# Altium PCB Backend_v2.PcbDoc (part 1 of 3) (continued)
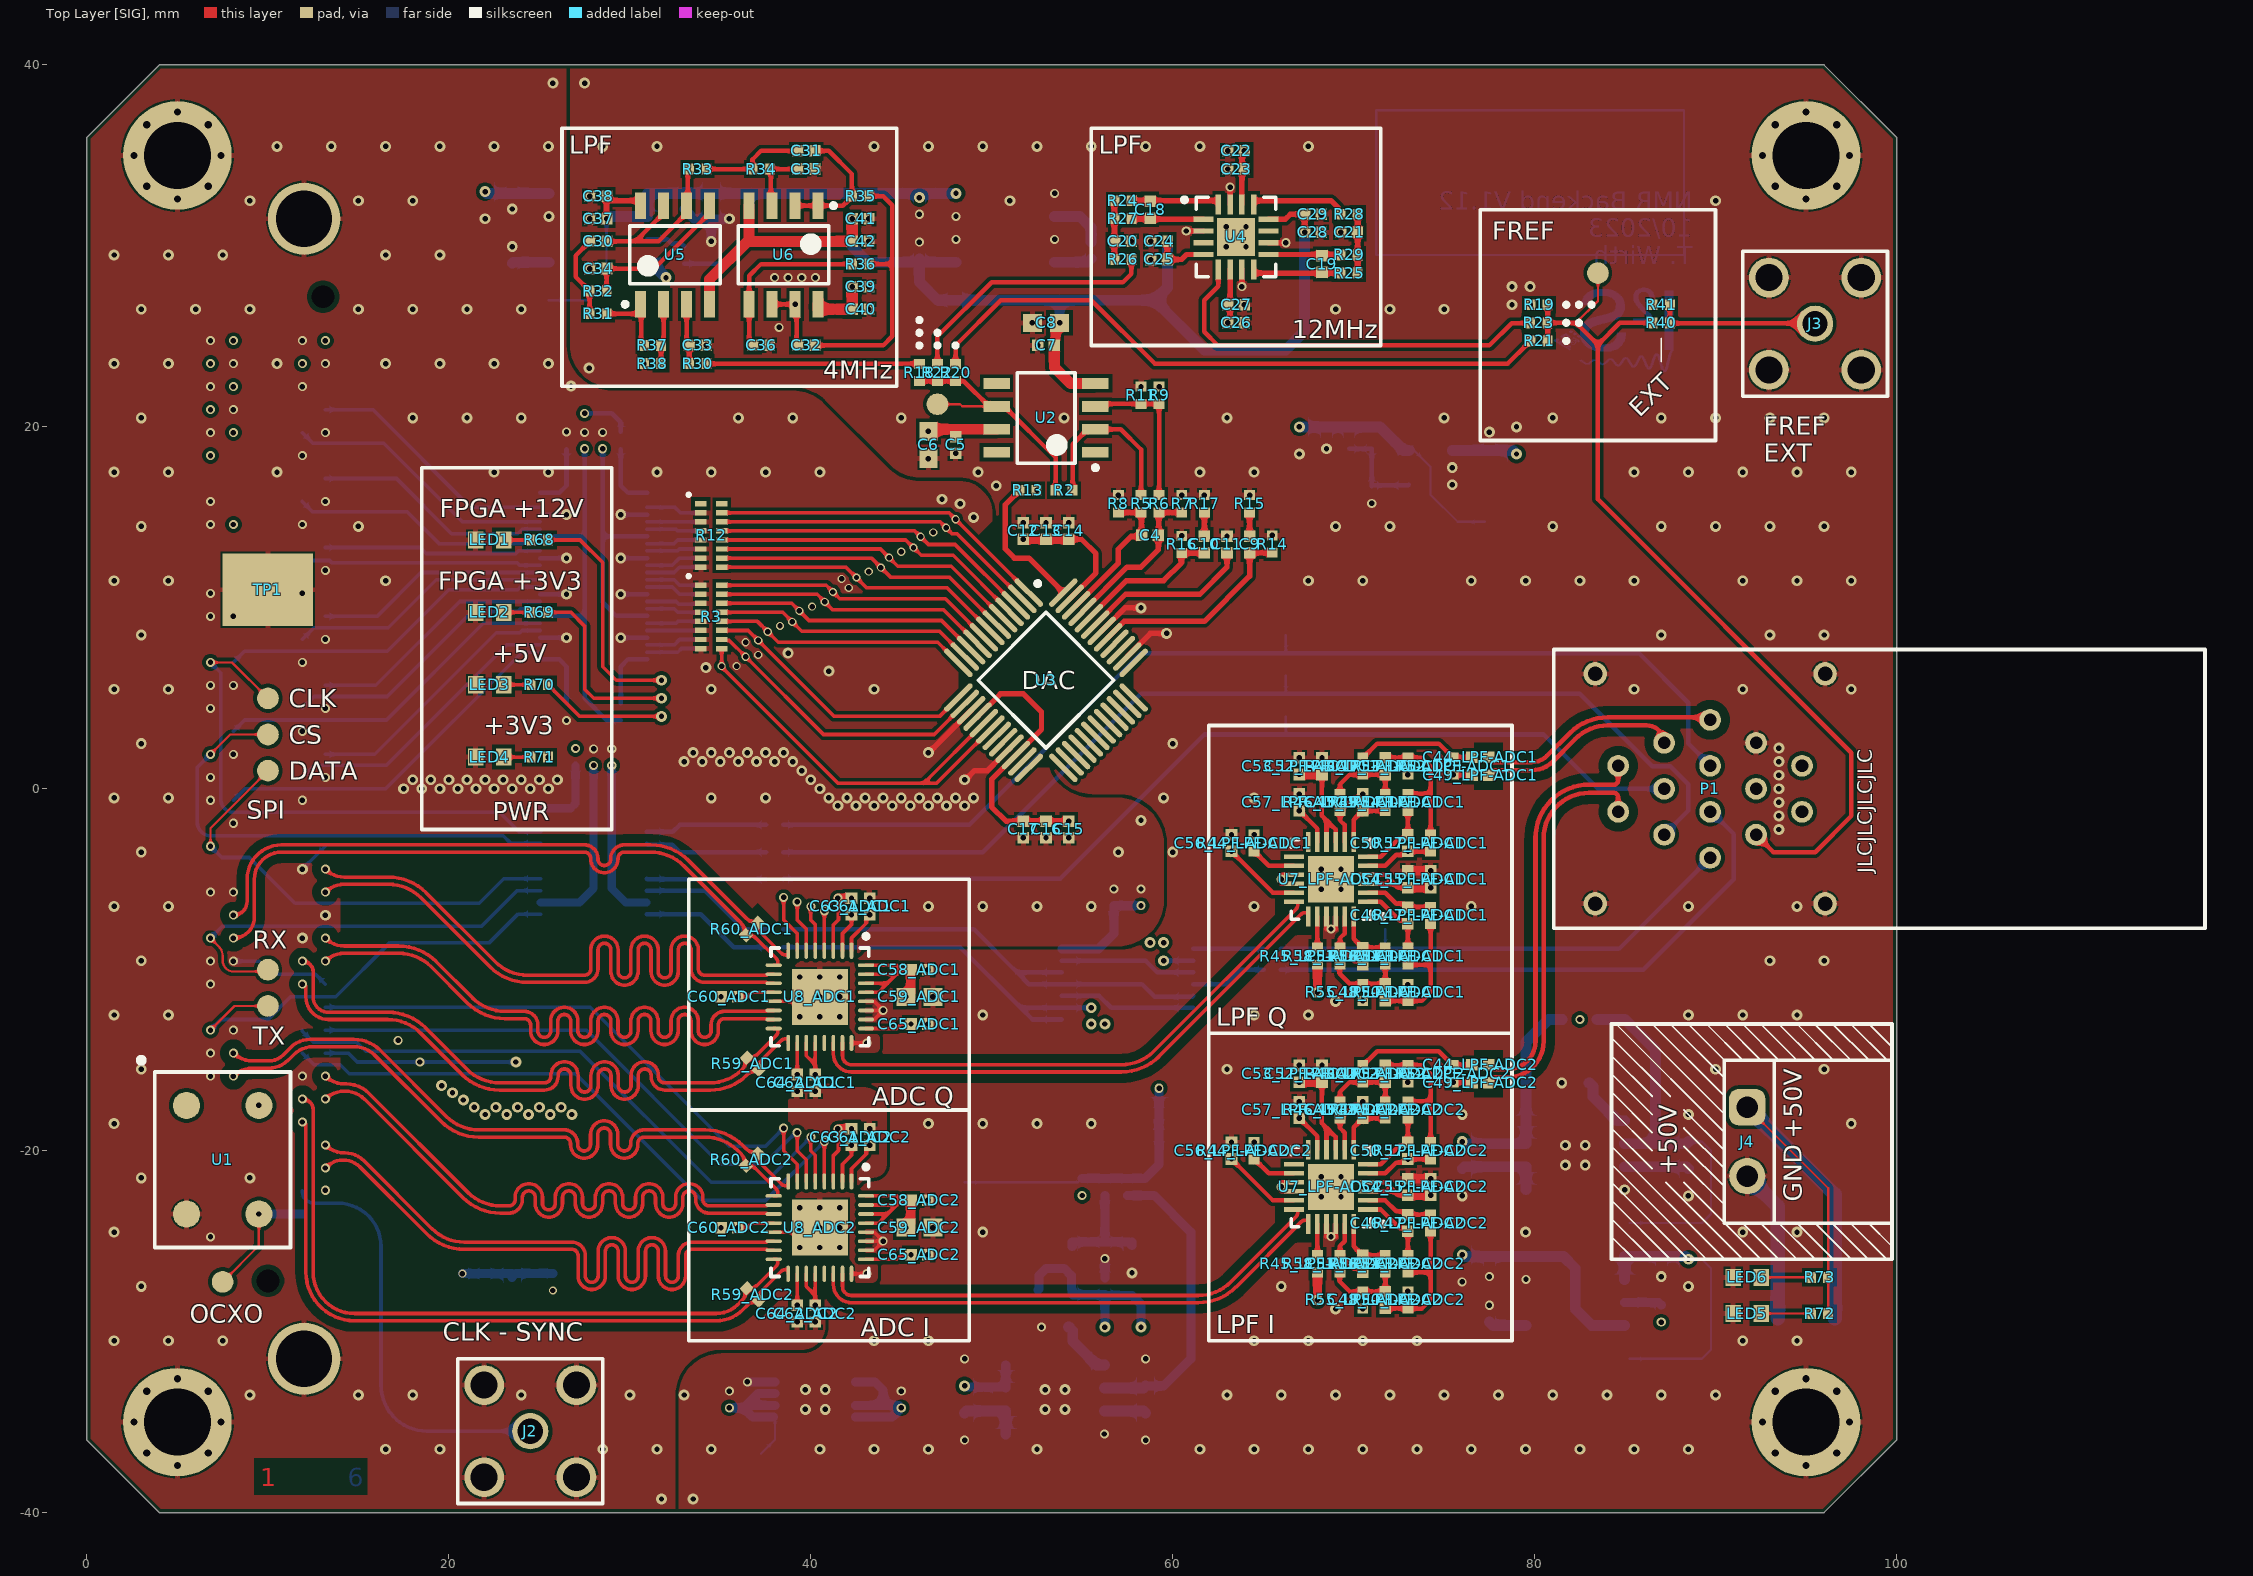
[diagram p0: Top Layer [SIG] view]
## Components (designator, comment, footprint, x,y, rotation, side; value= is the part's Value field where it differs from the comment)
C1 "10u" CAP_0603 23.5,-27.75 r270 bottom
C2 "1u" CAP_0402 22,-27.25 r270 bottom
C3 "100n" CAP_0402 20.75,-27.25 r270 bottom
C4 "22p" CAP_0402 58.75,14 r0 top
C5 "100n" CAP_0402 48,19 r270 top
C6 "10u" CAP_0603 46.5,19 r270 top
C7 "100n" CAP_0402 53,24.5 r180 top
C8 "10u" CAP_0603 53,25.75 r180 top
C9 "22n" CAP_0402 64.25,13.5 r90 top
C10 "22n" CAP_0402 61.75,13.5 r90 top
C11 "100n" CAP_0402 63,13.5 r90 top
C12 "100n" CAP_0402 51.75,14.25 r90 top
C13 "10n" CAP_0402 53,14.25 r90 top
C14 "1n" CAP_0402 54.25,14.25 r90 top
C15 "100n" CAP_0402 54.25,-2.25 r270 top
C16 "10n" CAP_0402 53,-2.25 r270 top
C17 "1n" CAP_0402 51.75,-2.25 r270 top
C18 "3p3" CAP_0402 58.75,32 r270 top
C19 "2p2" CAP_0402 68.25,29 r90 top
C20 "12p" CAP_0402 57.25,30.25 r0 top
C21 "33p" CAP_0402 69.75,30.75 r180 top
C22 "100n" CAP_0402 63.5,35.25 r180 top
C23 "100p" CAP_0402 63.5,34.25 r180 top
C24 "100n" CAP_0402 59.25,30.25 r180 top
C25 "100p" CAP_0402 59.25,29.25 r180 top
C26 "100n" CAP_0402 63.5,25.75 r0 top
C27 "100p" CAP_0402 63.5,26.75 r0 top
C28 "100n" CAP_0402 67.75,30.75 r0 top
C29 "100p" CAP_0402 67.75,31.75 r0 top
C30 "390p" CAP_0402 28.25,30.25 r0 top
C31 "100p" CAP_0402 39.75,35.25 r0 top
C32 "100p" CAP_0402 39.75,24.5 r180 top
C33 "510p" CAP_0402 33.75,24.5 r0 top
C34 "39p" CAP_0402 28.25,28.75 r180 top
C35 "10p" CAP_0402 39.75,34.25 r0 top
C36 "10p" CAP_0402 37.25,24.5 r0 top
C37 "100n" CAP_0402 28.25,31.5 r180 top
C38 "100p" CAP_0402 28.25,32.75 r180 top
C39 "100n" CAP_0402 42.75,27.75 r0 top
C40 "100p" CAP_0402 42.75,26.5 r0 top
C41 "100n" CAP_0402 42.75,31.5 r0 top
C42 "100p" CAP_0402 42.75,30.25 r0 top
C44_LPF-ADC1 "1u" CAP_0402 77,1.75 r180 top (schematic designator C44)
C44_LPF-ADC2 "1u" CAP_0402 77,-15.25 r180 top (schematic designator C44)
C45_LPF-ADC1 "100p" CAP_0402 70.5,-0.75 r270 top (schematic designator C45)
C45_LPF-ADC2 "100p" CAP_0402 70.5,-17.75 r270 top (schematic designator C45)
C46_LPF-ADC1 "100p" CAP_0402 73,-7 r270 top (schematic designator C46)
C46_LPF-ADC2 "100p" CAP_0402 73,-24 r270 top (schematic designator C46)
C47_LPF-ADC1 "180p" CAP_0402 71.75,1.25 r90 top (schematic designator C47)
C47_LPF-ADC2 "180p" CAP_0402 71.75,-15.75 r90 top (schematic designator C47)
C48_LPF-ADC1 "430p" CAP_0402 71.75,-11.25 r90 top (schematic designator C48)
C48_LPF-ADC2 "430p" CAP_0402 71.75,-28.25 r90 top (schematic designator C48)
C49_LPF-ADC1 "1u" CAP_0402 77,0.75 r180 top (schematic designator C49)
C49_LPF-ADC2 "1u" CAP_0402 77,-16.25 r180 top (schematic designator C49)
C50_LPF-ADC1 "100p" CAP_0402 73,-3 r90 top (schematic designator C50)
C50_LPF-ADC2 "100p" CAP_0402 73,-20 r90 top (schematic designator C50)
C51_LPF-ADC1 "100p" CAP_0402 70.5,-9.25 r90 top (schematic designator C51)
C51_LPF-ADC2 "100p" CAP_0402 70.5,-26.25 r90 top (schematic designator C51)
C52_LPF-ADC1 "1n" CAP_0402 68.25,1.25 r90 top (schematic designator C52)
C52_LPF-ADC2 "1n" CAP_0402 68.25,-15.75 r90 top (schematic designator C52)
C53_LPF-ADC1 "100n" CAP_0402 67,1.25 r90 top (schematic designator C53)
C53_LPF-ADC2 "100n" CAP_0402 67,-15.75 r90 top (schematic designator C53)
C54_LPF-ADC1 "1n" CAP_0402 73,-5 r90 top (schematic designator C54)
C54_LPF-ADC2 "1n" CAP_0402 73,-22 r90 top (schematic designator C54)
C55_LPF-ADC1 "100n" CAP_0402 74.25,-5 r90 top (schematic designator C55)
C55_LPF-ADC2 "100n" CAP_0402 74.25,-22 r90 top (schematic designator C55)
C56_LPF-ADC1 "100n" CAP_0402 63.25,-3 r90 top (schematic designator C56)
C56_LPF-ADC2 "100n" CAP_0402 63.25,-20 r90 top (schematic designator C56)
C57_LPF-ADC1 "100n" CAP_0402 67,-0.75 r90 top (schematic designator C57)
C57_LPF-ADC2 "100n" CAP_0402 67,-17.75 r90 top (schematic designator C57)
C58_ADC1 "100n" CAP_0402 46,-10 r0 top (schematic designator C58)
C58_ADC2 "100n" CAP_0402 46,-22.75 r0 top (schematic designator C58)
C59_ADC1 "10u" CAP_0603 46,-11.5 r0 top (schematic designator C59)
C59_ADC2 "10u" CAP_0603 46,-24.25 r0 top (schematic designator C59)
C60_ADC1 "100n" CAP_0402 35.5,-11.5 r180 top (schematic designator C60)
C60_ADC2 "100n" CAP_0402 35.5,-24.25 r180 top (schematic designator C60)
C61_ADC1 "100n" CAP_0402 43.25,-6.5 r90 top (schematic designator C61)
C61_ADC2 "100n" CAP_0402 43.25,-19.25 r90 top (schematic designator C61)
C62_ADC1 "100n" CAP_0402 40.25,-16.25 r270 top (schematic designator C62)
C62_ADC2 "100n" CAP_0402 40.25,-29 r270 top (schematic designator C62)
C63_ADC1 "100n" CAP_0402 42.25,-6.5 r90 top (schematic designator C63)
C63_ADC2 "100n" CAP_0402 42.25,-19.25 r90 top (schematic designator C63)
C64_ADC1 "100n" CAP_0402 39.25,-16.25 r270 top (schematic designator C64)
C64_ADC2 "100n" CAP_0402 39.25,-29 r270 top (schematic designator C64)
C65_ADC1 "100n" CAP_0402 46,-13 r0 top (schematic designator C65)
C65_ADC2 "100n" CAP_0402 46,-25.75 r0 top (schematic designator C65)
C66 "1u" CAP_0402 46,32.21 r270 bottom
C67 "1u" CAP_0402 55.5,29.75 r270 bottom
C68 "1u" CAP_0402 46,29.75 r90 bottom
C69 "10u" CAP_0603 22,32.25 r270 bottom
C70 "1u" CAP_0402 23.5,32.5 r270 bottom
C71 "1u" CAP_0402 33,32.5 r270 bottom
C72 "10u" CAP_0603 34.5,32.25 r270 bottom
C73 "10n" CAP_0402 23.5,29.5 r90 bottom
C74 "10u" CAP_0603 79,19.25 r90 bottom
C75 "1u" CAP_0402 77.5,19.25 r90 bottom
C76 "100n" CAP_0402 69.75,19.25 r270 bottom
C77 "1u" CAP_0402 68.5,19.25 r270 bottom
C78 "10u" CAP_0603 67,19.25 r270 bottom
C79 "1u" CAP_0402 56.25,-27.5 r90 bottom
C80 "1u" CAP_0402 56.25,-25.5 r270 bottom
C81 "10u" CAP_0603 57.75,-26 r270 bottom
C82 "1u" CAP_0402 35.5,-33.75 r90 bottom
C83 "100n" CAP_0402 59.7,-19.15 r0 bottom
C84 "1u" CAP_0402 59.7,-17.95 r0 bottom
C85 "10u" CAP_0603 60,-16.55 r0 bottom
C86 "1u" CAP_0402 45,-33.75 r90 bottom
C87 "10u" CAP_0603 48.5,-32.25 r90 bottom
C88 "22u / 10u" CAP_0603 58.5,-35.25 r270 bottom
C89 "10u" CAP_0603 53.5,-29.75 r180 bottom
C90 "10u" CAP_0603 48.5,-35.25 r270 bottom
C91 "10u" CAP_0603 58.5,-32.25 r90 bottom
C92 "100n" CAP_0402 58.25,-6 r90 bottom
C93 "10n" CAP_0402 56.75,-6 r90 bottom
C94 "10u" CAP_0603 76,-26.5 r270 bottom
C95 "1u" CAP_0402 77.5,-26.5 r270 bottom
C96 "1u" CAP_0402 87,-26.5 r270 bottom
C97 "10u" CAP_0603 88.5,-26.75 r270 bottom
C98 "10n" CAP_0402 77.5,-29 r90 bottom
C99 "10u" CAP_0603 76,-18.75 r90 bottom
C100 "22u / 10u" CAP_0603 88.5,-21.75 r270 bottom
C101 "10u" CAP_0603 82.25,-16.25 r180 bottom
C102 "10u" CAP_0603 76,-21.75 r270 bottom
C103 "10u" CAP_0603 88.5,-18.75 r90 bottom
C104 "100n" CAP_0402 28,1.75 r90 bottom
C105 "100n" CAP_0402 29,1.75 r90 bottom
C106 "100n" CAP_0402 27.5,19.25 r90 bottom
C107 "100n" CAP_0402 28.5,19.25 r90 bottom
D1 "1N4148WS" SOD-123F 95,-29.25 r0 bottom
J1 "ASP-134604-01" ASP13460401 10,0 r270 bottom
J2 "SMA" SMA 24.5,-35.5 r0 top
J3 "SMA" SMA 95.5,25.7 r0 top
J4 "1803277" Phoenix_MC1,5/2-G-3,81 91.75,-19.5 r90 top
LED1 "Green" RES_0603 22.25,13.75 r180 top
LED2 "Green" RES_0603 22.25,9.75 r180 top
LED3 "Green" RES_0603 22.25,5.75 r180 top
LED4 "Green" RES_0603 22.25,1.75 r180 top
LED5 "Red" RES_0603 91.75,-29 r0 top
LED6 "Blue" RES_0603 91.75,-27 r180 top
P1 "EPG.1B.314.NLN" EPG.1B.314.NLN 89.7,0 r0 top
R1 "0 | inf" RES_0402 25.75,-27.25 r270 bottom value="0 | inf"
R2 "2K7" RES_0402 54,16.5 r180 top
R3 "741X163471JP" 741X163 34.5,9.5 r270 top
R4 "741X163270JP" 741X163 34.5,9.5 r90 bottom
R5 "220R" RES_0402 58.25,15.75 r270 top
R6 "220R" RES_0402 59.25,15.75 r270 top
R7 "27R" RES_0402 60.5,15.75 r270 top
R8 "27R" RES_0402 57,15.75 r270 top
R9 "3k3" RES_0402 59.25,21.75 r270 top
R10 "741X163270JP" 741X163 34.5,14 r90 bottom
R11 "180R" RES_0402 58.25,21.75 r270 top
R12 "741X163471JP" 741X163 34.5,14 r270 top
R13 "10k" RES_0402 52,16.5 r180 top
R14 "8k2" RES_0402 65.5,13.525 r270 top
R15 "249R" RES_0402 64.25,15.75 r270 top
R16 "8k2" RES_0402 60.5,13.5 r270 top
R17 "249R" RES_0402 61.75,15.75 r270 top
R18 "0 | inf" RES_0402 46,23 r90 top value="0 | inf"
R19 "0 | inf" RES_0402 80.25,26.75 r180 top value="0 | inf"
R20 "0 | inf" RES_0402 48,23 r270 top value="0 | inf"
R21 "0 | inf" RES_0402 80.25,24.75 r180 top value="0 | inf"
R22 "0 | inf" RES_0402 47,23 r270 top value="0 | inf"
R23 "0 | inf" RES_0402 80.225,25.75 r0 top value="0 | inf"
R24 "1k43" RES_0402 57.25,32.5 r0 top
R25 "1k5" RES_0402 69.75,28.5 r180 top
R26 "1k43" RES_0402 57.25,29.25 r180 top
R27 "1k33" RES_0402 57.25,31.5 r0 top
R28 "1k5" RES_0402 69.75,31.75 r0 top
R29 "1k43" RES_0402 69.75,29.5 r180 top
R30 "63R4" RES_0402 33.75,23.5 r180 top
R31 "243R" RES_0402 28.25,26.25 r180 top
R32 "243R" RES_0402 28.25,27.5 r0 top
R33 "243R" RES_0402 33.75,34.25 r0 top
R34 "4k02" RES_0402 37.25,34.25 r0 top
R35 "178R" RES_0402 42.75,32.75 r0 top
R36 "5k62" RES_0402 42.75,29 r180 top
R37 "0 | inf" RES_0402 31.25,24.5 r180 top value="0 | inf"
R38 "0 | inf" RES_0402 31.25,23.5 r0 top value="0 | inf"
R40 "0 | inf" RES_0402 87,25.75 r0 top value="0 | inf"
R41 "49R9" RES_0402 87,26.75 r0 top
R44_LPF-ADC1 "10k" RES_0402 64.5,-3 r90 top (schematic designator R44)
R44_LPF-ADC2 "10k" RES_0402 64.5,-20 r90 top (schematic designator R44)
R45_LPF-ADC1 "10k" RES_0402 68,-9.25 r270 top (schematic designator R45)
R45_LPF-ADC2 "10k" RES_0402 68,-26.25 r270 top (schematic designator R45)
R46_LPF-ADC1 "2k61" RES_0402 69.25,-0.75 r270 top (schematic designator R46)
R46_LPF-ADC2 "2k61" RES_0402 69.25,-17.75 r270 top (schematic designator R46)
R47_LPF-ADC1 "1k78" RES_0402 74.25,-7 r90 top (schematic designator R47)
R47_LPF-ADC2 "1k78" RES_0402 74.25,-24 r90 top (schematic designator R47)
R48_LPF-ADC1 "1k18" RES_0402 70.5,1.25 r270 top (schematic designator R48)
R48_LPF-ADC2 "1k18" RES_0402 70.5,-15.75 r270 top (schematic designator R48)
R49_LPF-ADC1 "1k1" RES_0402 71.75,-0.75 r270 top (schematic designator R49)
R49_LPF-ADC2 "1k1" RES_0402 71.75,-17.75 r270 top (schematic designator R49)
R50_LPF-ADC1 "787R" RES_0402 73,-11.25 r270 top (schematic designator R50)
R50_LPF-ADC2 "787R" RES_0402 73,-28.25 r270 top (schematic designator R50)
R51_LPF-ADC1 "562R" RES_0402 73,-9.25 r90 top (schematic designator R51)
R51_LPF-ADC2 "562R" RES_0402 73,-26.25 r90 top (schematic designator R51)
R52_LPF-ADC1 "100R" RES_0402 75.5,1.25 r90 top (schematic designator R52)
R52_LPF-ADC2 "100R" RES_0402 75.5,-15.75 r90 top (schematic designator R52)
R53_LPF-ADC1 "1k18" RES_0402 73,1.25 r90 top (schematic designator R53)
R53_LPF-ADC2 "1k18" RES_0402 73,-15.75 r90 top (schematic designator R53)
R54_LPF-ADC1 "1k1" RES_0402 73,-0.75 r270 top (schematic designator R54)
R54_LPF-ADC2 "1k1" RES_0402 73,-17.75 r270 top (schematic designator R54)
R55_LPF-ADC1 "787R" RES_0402 70.5,-11.25 r90 top (schematic designator R55)
R55_LPF-ADC2 "787R" RES_0402 70.5,-28.25 r90 top (schematic designator R55)
R56_LPF-ADC1 "562R" RES_0402 71.75,-9.25 r90 top (schematic designator R56)
R56_LPF-ADC2 "562R" RES_0402 71.75,-26.25 r90 top (schematic designator R56)
R57_LPF-ADC1 "2k61" RES_0402 74.25,-3 r270 top (schematic designator R57)
R57_LPF-ADC2 "2k61" RES_0402 74.25,-20 r270 top (schematic designator R57)
R58_LPF-ADC1 "1k78" RES_0402 69.25,-9.25 r90 top (schematic designator R58)
R58_LPF-ADC2 "1k78" RES_0402 69.25,-26.25 r90 top (schematic designator R58)
R59_ADC1 "100R" RES_0402 36.8,-15.2 r135 top (schematic designator R59)
R59_ADC2 "100R" RES_0402 36.8,-27.95 r135 top (schematic designator R59)
R60_ADC1 "100R" RES_0402 36.75,-7.75 r45 top (schematic designator R60)
R60_ADC2 "100R" RES_0402 36.75,-20.5 r45 top (schematic designator R60)
R61 "0R" RES_0402 43.75,-16.75 r0 bottom
R62 "330k" RES_0402 33,29.5 r270 bottom
R63 "40k2" RES_0402 71,19.25 r90 bottom
R64 "10k" RES_0402 71,16.25 r90 bottom
R65 "0 | inf" RES_0402 55,-22 r270 bottom value="0 | inf"
R66 "0 | inf" RES_0402 56.25,-22 r270 bottom value="0 | inf"
R67 "0 | inf" RES_0402 57.5,-22 r270 bottom value="0 | inf"
R68 "10k" RES_0402 25,13.75 r0 top
R69 "1k1" RES_0402 25,9.75 r0 top
R70 "2k8" RES_0402 25,5.75 r0 top
R71 "1k1" RES_0402 25,1.75 r0 top
R72 "47k" RES_0402 95.75,-29 r0 top
R73 "47k" RES_0402 95.75,-27 r0 top
R74 "49k9" RES_0402 65.5,-8.85 r0 bottom
R75 "49k9" RES_0402 65.5,-10 r0 bottom
R76 "330k" RES_0402 87,-29 r270 bottom
R77 "Inf | 0" RES_0402 82,-12.75 r180 bottom value="inf | 0"
R78 "0 | Inf" RES_0402 82.975,-12.75 r0 bottom value="0 | inf"
R79 "49k9" RES_0402 38,-8.75 r0 bottom
R80 "49k9" RES_0402 38,-7.75 r0 bottom
R81 "10k" RES_0402 26.5,19.25 r90 bottom
R82 "10k" RES_0402 29.5,19.25 r270 bottom
R83 "49k9" RES_0402 38,-5 r0 bottom
R84 "49k9" RES_0402 38,-3.5 r0 bottom
R85 "49k9" RES_0402 38,-2 r0 bottom
R86 "10k" RES_0402 27,1.75 r90 bottom
R87 "10k" RES_0402 26.5,4.25 r270 bottom
R88 "10k" RES_0402 29.5,4.25 r90 bottom
TP1 "Test-Point" Test-Point-2 10,11 r0 top
TP2 "Test-Point" Test-Point-2 46.75,6 r180 bottom
U1 "AOCJYR-20.000MHz-M5627LF" AOCJYR20000MHZM5627LFT 7.5,-20.5 r270 top
U2 "AD8055ARZ" SOIC127P600X175-8N 53,20.5 r180 top
U3 "AD9767ASTZ" TQFP-48_L 53,6 r315 top
U4 "ADA4857-2YCPZ-R7" QFN65P400X400X80_HS-17N 63.5,30.5 r0 top
U5 "LT6231" SOP127P600X175-8N 32.5,29.5 r90 top
U6 "LT6231" SOP127P600X175-8N 38.5,29.5 r270 top
U7_LPF-ADC1 "THS4552" QFN-24Pin_TP 68.75,-5 r180 top (schematic designator U7)
U7_LPF-ADC2 "THS4552" QFN-24Pin_TP 68.75,-22 r180 top (schematic designator U7)
U8_ADC1 "AD7960BCPZ" ADI-CP-32-7_M 40.5,-11.5 r270 top (schematic designator U8)
U8_ADC2 "AD7960BCPZ" ADI-CP-32-7_M 40.5,-24.25 r270 top (schematic designator U8)
U9 "MAX1681ESA+" SOP127P600X175-8N 50.75,31 r180 bottom
U10 "LP2989IMX-5.0" SOP127P600X175-8N 28.25,31 r0 bottom
U11 "MP2000DJ-ADJ-LF-Z" SOT95P280X145-5N 74.25,17.75 r180 bottom
U12 "LDLN025M33R" SOT95P280X145-5N 53.5,-26.5 r90 bottom
U13 "ADP124ARHZ-1.8-R7" "TSOP65P490X94_HS-9N - TW" 40.25,-33.75 r0 bottom
U14 "ADM7154ARDZ-3.3-R7" "SOIC-8_TP - TW" 53.5,-33.75 r180 bottom
U15 "SN74AHC02DBR" SOP65P780X200-14N 57.5,-10.8 r180 bottom
U16 "LP2989IMX-5.0" SOP127P600X175-8N 82.25,-27.75 r0 bottom
U17 "ADM7154ARDZ-3.3-R7" "SOIC-8_TP - TW" 82.25,-20.25 r180 bottom
U18 "TXS0108EPWR" TSSOP-20 28,-4 r0 bottom
U19 "CAVC16T245QDGVRQ1" TSSOP40P640X120-48N 28,11.75 r180 bottom

## Footprints (in the part's own frame and the unit in brackets; to place one, negate y for a bottom-side part, rotate by r counter-clockwise, add the part's x,y. Pads: shape width x height; smd on the part's side, far side on the other; paste and mask are expansions set on the pad)
741X163 [mm]
  rect 0.3x0.65 smd: 1(-1.75,-0.575) 2(-1.25,-0.575) 3(-0.75,-0.575) 4(-0.25,-0.575) 5(0.25,-0.575) 6(0.75,-0.575) 7(1.25,-0.575) 8(1.75,-0.575) 9(1.75,0.575) 10(1.25,0.575) 11(0.75,0.575) 12(0.25,0.575) 13(-0.25,0.575) 14(-0.75,0.575) 15(-1.25,0.575) 16(-1.75,0.575)
  silkscreen extent -2.3,-1.3 -2.2,-1.2, body extent -1.97,-0.87 1.97,0.87, height 0.65
ADI-CP-32-7_M [mm] "QFN, 32-Leads, Body 5x5mm, Pitch 0.5mm, Thermal Pad 3.1x3.1mm, IPC Low Density"
  oval 0.9x0.2 smd: 1(-2.55,1.75) 2(-2.55,1.25) 3(-2.55,0.75) 4(-2.55,0.25) 5(-2.55,-0.25) 6(-2.55,-0.75) 7(-2.55,-1.25) 8(-2.55,-1.75) 17(2.55,-1.75) 18(2.55,-1.25) 19(2.55,-0.75) 20(2.55,-0.25) 21(2.55,0.25) 22(2.55,0.75) 23(2.55,1.25) 24(2.55,1.75)
  oval 0.2x0.9 smd: 9(-1.75,-2.55) 10(-1.25,-2.55) 11(-0.75,-2.55) 12(-0.25,-2.55) 13(0.25,-2.55) 14(0.75,-2.55) 15(1.25,-2.55) 16(1.75,-2.55) 25(1.75,2.55) 26(1.25,2.55) 27(0.75,2.55) 28(0.25,2.55) 29(-0.25,2.55) 30(-0.75,2.55) 31(-1.25,2.55) 32(-1.75,2.55)
  rect 3.1x3.1 smd: 33(0,0)
  silkscreen extent -3.47,-2.7 2.7,2.7, body extent -2.55,-2.55 2.55,2.55, height 0.8
AOCJYR20000MHZM5627LFT [mm]
  round 1.5 smd: 1(-3,-2) 2(3,-2) 3(3,2) 4(-3,2)
  silkscreen extent -5.55,-4.55 4.85,3.75, body extent -4.85,-3.75 4.85,3.75, height 4.15
ASP13460401 [mm] "Board to Board & Mezzanine Connectors \"ASP\""
  round 0.64 smd: C1(24.765,3.175) C2(23.495,3.175) C3(22.225,3.175) C4(20.955,3.175) C5(19.685,3.175) C6(18.415,3.175) C7(17.145,3.175) C8(15.875,3.175) C9(14.605,3.175) C10(13.335,3.175) C11(12.065,3.175) C12(10.795,3.175) C13(9.525,3.175) C14(8.255,3.175) C15(6.985,3.175) C16(5.715,3.175) C17(4.445,3.175) C18(3.175,3.175) C19(1.905,3.175) C20(0.635,3.175) C21(-0.635,3.175) C22(-1.905,3.175) C23(-3.175,3.175) C24(-4.445,3.175) C25(-5.715,3.175) C26(-6.985,3.175) C27(-8.255,3.175) C28(-9.525,3.175) C29(-10.795,3.175) C30(-12.065,3.175) C31(-13.335,3.175) C32(-14.605,3.175) C33(-15.875,3.175) C34(-17.145,3.175) C35(-18.415,3.175) C36(-19.685,3.175) C37(-20.955,3.175) C38(-22.225,3.175) C39(-23.495,3.175) C40(-24.765,3.175) D1(24.765,1.905) D2(23.495,1.905) D3(22.225,1.905) D4(20.955,1.905) D5(19.685,1.905) D6(18.415,1.905) D7(17.145,1.905) D8(15.875,1.905) D9(14.605,1.905) D10(13.335,1.905) D11(12.065,1.905) D12(10.795,1.905) D13(9.525,1.905) D14(8.255,1.905) D15(6.985,1.905) D16(5.715,1.905) D17(4.445,1.905) D18(3.175,1.905) D19(1.905,1.905) D20(0.635,1.905) D21(-0.635,1.905) D22(-1.905,1.905) D23(-3.175,1.905) D24(-4.445,1.905) D25(-5.715,1.905) D26(-6.985,1.905) D27(-8.255,1.905) D28(-9.525,1.905) D29(-10.795,1.905) D30(-12.065,1.905) D31(-13.335,1.905) D32(-14.605,1.905) D33(-15.875,1.905) D34(-17.145,1.905) D35(-18.415,1.905) D36(-19.685,1.905) D37(-20.955,1.905) D38(-22.225,1.905) D39(-23.495,1.905) D40(-24.765,1.905) G1(24.765,-1.905) G2(23.495,-1.905) G3(22.225,-1.905) G4(20.955,-1.905) G5(19.685,-1.905) G6(18.415,-1.905) G7(17.145,-1.905) G8(15.875,-1.905) G9(14.605,-1.905) G10(13.335,-1.905) G11(12.065,-1.905) G12(10.795,-1.905) G13(9.525,-1.905) G14(8.255,-1.905) G15(6.985,-1.905) G16(5.715,-1.905) G17(4.445,-1.905) G18(3.175,-1.905) G19(1.905,-1.905) G20(0.635,-1.905) G21(-0.635,-1.905) G22(-1.905,-1.905) G23(-3.175,-1.905) G24(-4.445,-1.905) G25(-5.715,-1.905) G26(-6.985,-1.905) G27(-8.255,-1.905) G28(-9.525,-1.905) G29(-10.795,-1.905) G30(-12.065,-1.905) G31(-13.335,-1.905) G32(-14.605,-1.905) G33(-15.875,-1.905) G34(-17.145,-1.905) G35(-18.415,-1.905) G36(-19.685,-1.905) G37(-20.955,-1.905) G38(-22.225,-1.905) G39(-23.495,-1.905) G40(-24.765,-1.905) H1(24.765,-3.175) H2(23.495,-3.175) H3(22.225,-3.175) H4(20.955,-3.175) H5(19.685,-3.175) H6(18.415,-3.175) H7(17.145,-3.175) H8(15.875,-3.175) H9(14.605,-3.175) H10(13.335,-3.175) H11(12.065,-3.175) H12(10.795,-3.175) H13(9.525,-3.175) H14(8.255,-3.175) H15(6.985,-3.175) H16(5.715,-3.175) H17(4.445,-3.175) H18(3.175,-3.175) H19(1.905,-3.175) H20(0.635,-3.175) H21(-0.635,-3.175) H22(-1.905,-3.175) H23(-3.175,-3.175) H24(-4.445,-3.175) H25(-5.715,-3.175) H26(-6.985,-3.175) H27(-8.255,-3.175) H28(-9.525,-3.175) H29(-10.795,-3.175) H30(-12.065,-3.175) H31(-13.335,-3.175) H32(-14.605,-3.175) H33(-15.875,-3.175) H34(-17.145,-3.175) H35(-18.415,-3.175) H36(-19.685,-3.175) H37(-20.955,-3.175) H38(-22.225,-3.175) H39(-23.495,-3.175) H40(-24.765,-3.175)
  round 0.635 hole 1.27 unplated: MH1(27.189,0) MH2(-27.191,-3.05)
  silkscreen extent -27.89,-7.34 28.54,7.34, body extent -27.89,-7.34 28.78,7.34, height 7.11
CAP_0402 [mm] "Chip Capacitor, 2-Leads, Body 1,00x0,50mm, IPC Medium Density"
  rect 0.64x0.64 smd: 1(-0.46,0) 2(0.46,0)
  body extent -0.55,-0.3 0.55,0.3, height 0.6
CAP_0603 [mm] "Chip Capacitor, 2-Leads, Body 1,60x0,80mm, IPC Medium Density"
  rect 1.05x1 smd: 1(-0.75,0) 2(0.75,0)
  body extent -0.87,-0.48 0.87,0.48, height 0.85
EPG.1B.314.NLN [mil]
  round 47.24 hole 27.56: 1(-200,-50) 2(-100,-100) 3(0,-150) 4(100,-100) 5(200,-50) 6(200,50) 7(100,100) 8(0,150) 9(-100,100) 10(-200,50) 11(-100,0) 12(0,-50) 13(100,0) 14(0,50)
  round 51.18 hole 31.5: 15(-250,-250) 16(250,-250) 17(250,250) 18(-250,250)
  silkscreen extent -341,-303 1077,303, body extent -343,-303 1075,303, height 554
Phoenix_MC1,5/2-G-3,81 [mm]
  round 2 hole 1.2: 1(-1.905,0)
  rrect50% 2x2 hole 1.2: 2(1.905,0)
  silkscreen extent -4.5,-8 4.5,1.27, body extent -4.51,-8 4.5,1.29, height 7.25
QFN65P400X400X80_HS-17N [mm] "QFN, 16-Leads, Body 4,00x4,00mm, Pitch 0,65mm, Thermal Pad 2,10x2,10mm, IPC Medium Density"
  rect 1.1x0.3 smd: 1(-1.8,0.975) 2(-1.8,0.325) 3(-1.8,-0.325) 4(-1.8,-0.975) 9(1.8,-0.975) 10(1.8,-0.325) 11(1.8,0.325) 12(1.8,0.975)
  rect 0.3x1.1 smd: 5(-0.975,-1.8) 6(-0.325,-1.8) 7(0.325,-1.8) 8(0.975,-1.8) 13(0.975,1.8) 14(0.325,1.8) 15(-0.325,1.8) 16(-0.975,1.8)
  rect 2.1x2.1 smd: 17(0,0)
  silkscreen extent -2.97,-2.2 2.2,2.2, body extent -2.1,-2.1 2.1,2.1, height 0.8
QFN-24Pin_TP [mm] "QFN, 24-Leads, Body 4,00x4,00mm, Pitch 0,50mm, Thermal Pad 2,55x2,55mm, IPC Medium Density"
  rect 1.1x0.25 smd: 1(-2.05,1.25) 2(-2.05,0.75) 3(-2.05,0.25) 4(-2.05,-0.25) 5(-2.05,-0.75) 6(-2.05,-1.25) 13(2.05,-1.25) 14(2.05,-0.75) 15(2.05,-0.25) 16(2.05,0.25) 17(2.05,0.75) 18(2.05,1.25)
  rect 0.25x1.1 smd: 7(-1.25,-2.05) 8(-0.75,-2.05) 9(-0.25,-2.05) 10(0.25,-2.05) 11(0.75,-2.05) 12(1.25,-2.05) 19(1.25,2.05) 20(0.75,2.05) 21(0.25,2.05) 22(-0.25,2.05) 23(-0.75,2.05) 24(-1.25,2.05)
  rect 2.55x2.55 smd paste+0: 25(0,0)
  silkscreen extent -2.98,-2.2 2.2,2.2, body extent -2.1,-2.1 2.1,2.1, height 0.8
RES_0402 [mm] "Chip Resistor, 2-Leads, Body 1,05x0,54mm, IPC Medium Density"
  rect 0.55x0.6 smd: 1(-0.475,0) 2(0.475,0)
  body extent -0.55,-0.3 0.55,0.3, height 0.4
RES_0603 [mm] "Chip Resistor, 2-Leads, Body 1,60x0,83mm, IPC Medium Density"
  rect 0.85x0.95 smd: 1(-0.775,0) 2(0.775,0)
  body extent -0.85,-0.48 0.85,0.48, height 0.6
SMA [mm]
  round 2 hole 1.4: 1(0,0)
  round 2.2 hole 1.5: 2(-2.55,-2.55) 2(-2.55,2.55) 2(2.55,-2.55) 2(2.55,2.55)
  silkscreen extent -4,-4 4,4, body extent -3.13,-3.13 3.13,3.13, height 9.55
SOD-123F [mm]
  rect 0.9x0.8 smd: 1(-1.575,0) 2(1.575,0)
  silkscreen extent -1.45,-0.85 2.05,0.85, body extent -1.75,-0.85 1.75,0.85, height 1.2
SOIC127P600X175-8N [mm] "SOIC, 8-Leads, Body 4,90x3,90mm, Pitch 1,27mm, IPC Medium Density"
  rect 1.45x0.6 smd: 1(-2.725,1.905) 2(-2.725,0.635) 3(-2.725,-0.635) 4(-2.725,-1.905) 5(2.725,-1.905) 6(2.725,-0.635) 7(2.725,0.635) 8(2.725,1.905)
  silkscreen extent -2.85,-2.5 1.6,2.88, body extent -3,-2.5 3,2.5, height 1.75
"SOIC-8_TP - TW" [mm] "SOIC, 8-Leads, Body 4,90x3,90mm, Pitch 1,27mm, Thermal Pad 2,30x2,30mm, IPC Medium Density [Modified exposed pad and vias]"
  rect 2.3x2.3 smd: 0(0,0)
  rect 1.45x0.6 smd: 1(-2.725,1.905) 2(-2.725,0.635) 3(-2.725,-0.635) 4(-2.725,-1.905) 5(2.725,-1.905) 6(2.725,-0.635) 7(2.725,0.635) 8(2.725,1.905)
  silkscreen extent -2.85,-2.5 1.6,2.88, body extent -3,-2.5 3,2.5, height 1.75
SOP65P780X200-14N [mm] "SOP, 14-Leads, Body 6,20x5,30mm, Pitch 0,65mm, IPC Medium Density"
  rect 1.65x0.5 smd: 1(-3.625,1.95) 2(-3.625,1.3) 3(-3.625,0.65) 4(-3.625,0) 5(-3.625,-0.65) 6(-3.625,-1.3) 7(-3.625,-1.95) 8(3.625,-1.95) 9(3.625,-1.3) 10(3.625,-0.65) 11(3.625,0) 12(3.625,0.65) 13(3.625,1.3) 14(3.625,1.95)
  silkscreen extent -3.75,-3.25 2.4,3.25, body extent -3.9,-3.25 3.9,3.25, height 2
SOP127P600X175-8N [mm] "SOP, 8-Leads, Body 4,90x3,90mm, Pitch 1,27mm, IPC Medium Density"
  rect 1.45x0.6 smd: 1(-2.725,1.905) 2(-2.725,0.635) 3(-2.725,-0.635) 4(-2.725,-1.905) 5(2.725,-1.905) 6(2.725,-0.635) 7(2.725,0.635) 8(2.725,1.905)
  silkscreen extent -2.85,-2.5 1.6,2.88, body extent -3,-2.5 3,2.5, height 1.75
SOT95P280X145-5N [mm] "SOT23, 5-Leads, Body 2,95x2,80mm, Pitch 0,95mm, IPC Medium Density"
  rect 1.2x0.6 smd: 1(-1.2,0.95) 2(-1.2,0) 3(-1.2,-0.95) 4(1.2,-0.95) 5(1.2,0.95)
  silkscreen extent -1.23,-1.5 0.35,1.87, body extent -1.43,-1.5 1.43,1.5, height 1.45
Test-Point-2 [mm]
  rect 5x4 smd: 1(0,0)
  body extent -1.91,-1.42 1.91,1.42, height 2.29
TQFP-48_L [mm] "Thin QFP, 48-Leads, Body 7x7mm, Pitch 0.5mm, IPC Low Density"
  oval 2.1x0.3 smd: 1(-4.1,2.75) 2(-4.1,2.25) 3(-4.1,1.75) 4(-4.1,1.25) 5(-4.1,0.75) 6(-4.1,0.25) 7(-4.1,-0.25) 8(-4.1,-0.75) 9(-4.1,-1.25) 10(-4.1,-1.75) 11(-4.1,-2.25) 12(-4.1,-2.75) 25(4.1,-2.75) 26(4.1,-2.25) 27(4.1,-1.75) 28(4.1,-1.25) 29(4.1,-0.75) 30(4.1,-0.25) 31(4.1,0.25) 32(4.1,0.75) 33(4.1,1.25) 34(4.1,1.75) 35(4.1,2.25) 36(4.1,2.75)
  oval 0.3x2.1 smd: 13(-2.75,-4.1) 14(-2.25,-4.1) 15(-1.75,-4.1) 16(-1.25,-4.1) 17(-0.75,-4.1) 18(-0.25,-4.1) 19(0.25,-4.1) 20(0.75,-4.1) 21(1.25,-4.1) 22(1.75,-4.1) 23(2.25,-4.1) 24(2.75,-4.1) 37(2.75,4.1) 38(2.25,4.1) 39(1.75,4.1) 40(1.25,4.1) 41(0.75,4.1) 42(0.25,4.1) 43(-0.25,4.1) 44(-0.75,4.1) 45(-1.25,4.1) 46(-1.75,4.1) 47(-2.25,4.1) 48(-2.75,4.1)
  silkscreen extent -4.22,-2.65 2.65,3.57, body extent -3.5,-3.5 3.5,3.5, height 1.6
"TSOP65P490X94_HS-9N - TW" [mm] "TSOP, 8-Leads, Body 3,00x3,00mm, Pitch 0,65mm, Thermal Pad 1,83x1,83mm, IPC Medium Density [Modified exposed pad and vias]"
  rect 1.35x0.5 smd: 1(-2.225,0.975) 2(-2.225,0.325) 3(-2.225,-0.325) 4(-2.225,-0.975) 5(2.225,-0.975) 6(2.225,-0.325) 7(2.225,0.325) 8(2.225,0.975)
  rect 1.83x1.83 smd: 9(0,0)
  silkscreen extent -2.35,-1.55 1.15,1.9, body extent -2.45,-1.55 2.45,1.55, height 0.94
TSSOP40P640X120-48N [mm] "TSSOP, 48-Leads, Body 9,70x4,40mm, Pitch 0,40mm, IPC Medium Density"
  rect 1.4x0.25 smd: 1(-2.95,4.6) 2(-2.95,4.2) 3(-2.95,3.8) 4(-2.95,3.4) 5(-2.95,3) 6(-2.95,2.6) 7(-2.95,2.2) 8(-2.95,1.8) 9(-2.95,1.4) 10(-2.95,1) 11(-2.95,0.6) 12(-2.95,0.2) 13(-2.95,-0.2) 14(-2.95,-0.6) 15(-2.95,-1) 16(-2.95,-1.4) 17(-2.95,-1.8) 18(-2.95,-2.2) 19(-2.95,-2.6) 20(-2.95,-3) 21(-2.95,-3.4) 22(-2.95,-3.8) 23(-2.95,-4.2) 24(-2.95,-4.6) 25(2.95,-4.6) 26(2.95,-4.2) 27(2.95,-3.8) 28(2.95,-3.4) 29(2.95,-3) 30(2.95,-2.6) 31(2.95,-2.2) 32(2.95,-1.8) 33(2.95,-1.4) 34(2.95,-1) 35(2.95,-0.6) 36(2.95,-0.2) 37(2.95,0.2) 38(2.95,0.6) 39(2.95,1) 40(2.95,1.4) 41(2.95,1.8) 42(2.95,2.2) 43(2.95,2.6) 44(2.95,3) 45(2.95,3.4) 46(2.95,3.8) 47(2.95,4.2) 48(2.95,4.6)
  silkscreen extent -3.08,-4.9 1.85,5.4, body extent -3.2,-4.9 3.2,4.9, height 1.2
TSSOP-20 [mm] "TSOP, 20-Leads, Body 6,50x4,35mm, Pitch 0,65mm, IPC Medium Density"
  rect 1.45x0.45 smd: 1(-2.925,2.925) 2(-2.925,2.275) 3(-2.925,1.625) 4(-2.925,0.975) 5(-2.925,0.325) 6(-2.925,-0.325) 7(-2.925,-0.975) 8(-2.925,-1.625) 9(-2.925,-2.275) 10(-2.925,-2.925) 11(2.925,-2.925) 12(2.925,-2.275) 13(2.925,-1.625) 14(2.925,-0.975) 15(2.925,-0.325) 16(2.925,0.325) 17(2.925,0.975) 18(2.925,1.625) 19(2.925,2.275) 20(2.925,2.925)
  silkscreen extent -3.05,-3.3 1.8,3.82, body extent -3.2,-3.3 3.2,3.3, height 1.2

## Part data
C1 C2 C3 C4 C5 C6 C7 C8 C9 C10 C11 C12 C13 C14 C15 C16 C17 C18 C19 C20 C21 C22 C23 C24 C25 C26 C27 C28 C29 C30 C31 C32 C34 C35 C36 C37 C38 C39 C40 C41 C42 C44_LPF-ADC1 C44_LPF-ADC2 C45_LPF-ADC1 C45_LPF-ADC2 C46_LPF-ADC1 C46_LPF-ADC2 C47_LPF-ADC1 C47_LPF-ADC2 C48_LPF-ADC1 C48_LPF-ADC2 C49_LPF-ADC1 C49_LPF-ADC2 C50_LPF-ADC1 C50_LPF-ADC2 C51_LPF-ADC1 C51_LPF-ADC2 C52_LPF-ADC1 C52_LPF-ADC2 C53_LPF-ADC1 C53_LPF-ADC2 C54_LPF-ADC1 C54_LPF-ADC2 C55_LPF-ADC1 C55_LPF-ADC2 C56_LPF-ADC1 C56_LPF-ADC2 C57_LPF-ADC1 C57_LPF-ADC2 C58_ADC1 C58_ADC2 C59_ADC1 C59_ADC2 C60_ADC1 C60_ADC2 C61_ADC1 C61_ADC2 C62_ADC1 C62_ADC2 C63_ADC1 C63_ADC2 C64_ADC1 C64_ADC2 C65_ADC1 C65_ADC2 C66 C67 C68 C69 C70 C71 C72 C73 C74 C75 C76 C77 C78 C79 C80 C81 C82 C83 C84 C85 C86 C87 C88 C89 C90 C91 C92 C93 C94 C95 C96 C97 C98 C99 C100 C101 C102 C103 C104 C105 C106 C107: library part Cap
C33: library part Cap, Supplier Part Number 1=490-GCM1555C1H511FA16DCT-ND, Supplier 1=Digi-Key
D1: library part Diode, Supplier Part Number 1=8814485, Supplier 1="Future Electronics"
J1: "Board to Board & Mezzanine Connectors \"ASP\"", Supplier 1="Arrow Electronics", Supplier Part Number 1=ASP-134604-01
J4: library part Phoenix_MC1,5/2-G-3,81, Manufacturer="Phoenix Contact", Manufacturer Name="MC 1,5/ 2-G-3,81", Manufacturer P/N=1803277, Supplier 1="Arrow Electronics", Supplier Part Number 1=1803277
LED1 LED2 LED3 LED4 LED5 LED6: library part LED
P1: "LEMO Connector - 14 pin EPG.1B.314.NLN Elbow receptacle for printed circuit (solder mount), Female Contact Drawing Rev. 00 Source: http://www.lemo.com/catalog/ROW/UK_English/unipole_multipole.pdf"
R1 R2 R5 R6 R7 R8 R9 R11 R13 R14 R15 R16 R17 R18 R19 R20 R21 R22 R23 R24 R25 R26 R27 R28 R29 R31 R32 R33 R34 R35 R36 R37 R38 R40 R41 R44_LPF-ADC1 R44_LPF-ADC2 R45_LPF-ADC1 R45_LPF-ADC2 R46_LPF-ADC1 R46_LPF-ADC2 R47_LPF-ADC1 R47_LPF-ADC2 R48_LPF-ADC1 R48_LPF-ADC2 R49_LPF-ADC1 R49_LPF-ADC2 R50_LPF-ADC1 R50_LPF-ADC2 R51_LPF-ADC1 R51_LPF-ADC2 R52_LPF-ADC1 R52_LPF-ADC2 R53_LPF-ADC1 R53_LPF-ADC2 R54_LPF-ADC1 R54_LPF-ADC2 R55_LPF-ADC1 R55_LPF-ADC2 R56_LPF-ADC1 R56_LPF-ADC2 R57_LPF-ADC1 R57_LPF-ADC2 R58_LPF-ADC1 R58_LPF-ADC2 R59_ADC1 R59_ADC2 R60_ADC1 R60_ADC2 R62 R63 R64 R65 R66 R67 R68 R69 R70 R71 R72 R73 R74 R75 R76 R77 R78 R79 R80 R81 R82 R83 R84 R85 R86 R87 R88: library part Res
R3 R12: library part 741X163, "Isolated 8 Resistor Network/Array, Convex, Long Side Terminals", Supplier Part Number 1=774-741X163471JP, Supplier 1=Mouser
R4 R10: library part 741X163, "Isolated 8 Resistor Network/Array, Convex, Long Side Terminals", Supplier Part Number 1=774-741X163270JP, Supplier 1=Mouser
R30: library part Res, Supplier Part Number 1=RT0402FRE0763R4L-ND, Supplier 1=Digi-Key
R61: library part Res, "Net tie"
TP1 TP2: "Generic Test Point", Supplier Part Number 1=36-5016CT-ND, Supplier 1=Digi-Key
U1: Supplier Part Number 1=815-AOCJYR-20M5627, Supplier 1=Mouser
U2: library part AD8055, "300 MHz Voltage Feedback Amplifier", Supplier Part Number 1=584-AD8055ARZ, Supplier 1=Mouser
U3: library part AD9767, "Dual 14-Bit TxDAC+, 125 Msps, -40 to +85 degC, ST-48, Pb-Free, Tray", Manufacturer="Analog Devices", Supplier Part Number 1=505-AD9767ASTZ-ND, # DAC Outputs=2, ComponentLink1Description="Manufacturer URL", ComponentLink1URL=http://www.analog.com/en/index.html, ComponentLink2Description=Datasheet, ComponentLink2URL=http://www.analog.com/static/imported-files/data_sheets/AD9763_9765_9767.pdf, ComponentLink3Description="Package Specification", ComponentLink3URL=http://www.analog.com/static/imported-files/packages/PKG_PDF/LQFP%28ST%29/ST_48.pdf, ComponentLink4Description="Product URL", ComponentLink4URL=http://www.analog.com/en/digital-to-analog-converters/da-converters/ad9767/products/product.html, DatasheetVersion=Rev.G, Generic Part Number=AD9767, Max V+=5.5V, Mounting Technology="Surface Mount", Op Pwr Diss=450mW, PackageDescription="48-Pin Thin Quad Flat Pack 0.5 mm Pitch", PackageReference=ST-48, PackageVersion=revA, Packing=Tray, PartNumber=AD9767ASTZ, Resolution (Bits)=14, RevisionNote="Component URL fixed", RoHS=Y, Settling Time=35ns, Single Supply=Yes, Supplier 1=Digi-Key
U4: library part ADA4857-2, "Ultralow Power, Low Distortion Fully Differential ADC Driver, 3 to 7 V, -40 to 125 degC, 16-Pin LFCSP_WQ (CP-24-7), RoHS, Reel", Manufacturer="Analog Devices", Operating Range="3 to 7 V", PartNumber=ADA4940-2ACPZ-R2, Supplier Part Number 1=584-ADA4857-2YCPZ-R7, Temperature Range="-40 to 125 degC", Test Frequency="0.05 MHz", -3dB Bandwidth="260 MHz Typ.", ComponentLink1Description="Manufacturer URL", ComponentLink1URL=http://www.analog.com/en/index.html, ComponentLink2Description=Datasheet, ComponentLink2URL=http://www.analog.com/static/imported-files/data_sheets/ADA4940-1_4940-2.pdf, ComponentLink3Description="Package Specification", ComponentLink3URL=http://www.analog.com/static/imported-files/packages/PKG_PDF/LFCSP(CP)/CP_24_7.pdf, DatasheetVersion="Rev. C", Iq/Amp="1.25 mA Typ.", Mounting Technology="Surface Mount", PackageDescription="24-Pin Lead Frame Chip Scale Package, Body 4 x 4 mm, Pitch 0.5 mm", PackageVersion=Apr-12, Packing=Reel, PartId=1, RoHS=TRUE, Slew Rate="95 V/us Typ.", Supplier 1=Mouser
U5 U6: "215MHz, Rail-to-Rail Output, 1.1nV/√Hz, 3.5mA Op Amp Family", Supplier Part Number 1=584-LT6231IS8#PBF, Supplier 1=Mouser
U7_LPF-ADC1 U7_LPF-ADC2: "Dual-Channel, Low-Noise, Precision, 150-MHz, Fully Differential Amplifier", Manufacturer_Name="Texas Instruments", Manufacturer_Part_Number=THS4552IRTWT, Mouser2 Part Number=595-THS4552IRTWT, Supplier Part Number 1=296-51649-1-ND, Datasheet Link=http://www.ti.com/lit/gpn/THS4552, Height=0.8mm, Mouser2 Price/Stock=https://www.mouser.com/Search/Refine.aspx?Keyword=595-THS4552IRTWT, Supplier 1=Digi-Key
U8_ADC1 U8_ADC2: library part AD7960, "Single 18-Bit PulSAR Differential Analog-to-Digital Converter with Serial LVDS Interface, 5 MSPS, -40 to 85 degC, CP-32-7, RoHS, Tray", Full Power BW="28 MHz", Manufacturer="Analog Devices", Supplier Part Number 1=584-AD7960BCPZ, Temperature Range="-40 to 85 degC", # of Channels=1, ADC_Sample_Rate="5 MSPS", ComponentLink1Description="Manufacturer URL", ComponentLink1URL=http://www.analog.com/en/index.html, ComponentLink2Description=Datasheet, ComponentLink2URL=http://www.analog.com/static/imported-files/data_sheets/AD7960.pdf, ComponentLink3Description="Package Specification", ComponentLink3URL=http://www.analog.com/static/imported-files/packages/CP_32_7.pdf, DatasheetVersion="Rev. A", Dynamic Range="100 dB", Mounting Technology="Surface Mount", PackageDescription="32-Pin Lead Frame Chip Scale Package, Body 5 x 5 mm, Pitch 0.5 mm", PackageReference=CP-32-7, PackageVersion=112408-A, Packing=Tray, PartNumber=AD7960BCPZ, Resolution="18 Bits", RoHS=TRUE, Supplier 1=Mouser, Throughput Rate="5 MSPS"
U9: library part MAX1681, "125mA, Frequency-Selectable, Switched-Capacitor Voltage Converters", Supplier Part Number 1=700-MAX1681ESA, Supplier 1=Mouser
U10 U16: library part LP2989, Supplier 1=Heisener, Supplier Part Number 1=LP2989IMX-5.0
U11: library part MP2000, Supplier Part Number 1=1589-1865-1-ND, Supplier 1=Digi-Key
U12: library part LDLN025, Supplier Part Number 1=511-LDLN025M33R, Supplier 1=Mouser
U13: library part ADP124, Supplier Part Number 1=584-ADP124ARHZ-1.8R7, Supplier 1=Mouser
U14 U17: library part ADM715X, Supplier Part Number 1=584-ADM7154ARDZ3.3R7, Supplier 1=Mouser
U15: library part SNx4AHC02, "Quadruple 2-Input Positive-Nor Gates", Supplier Part Number 1=595-SN74AHC02DBR, Supplier 1=Mouser
U18: "8-Bit Bi-directional, Level-Shifting, Voltage Translator for Open-Drain and Push-Pull Applications", Supplier Part Number 1=595-TXS0108EPWR, Supplier 1=Mouser
U19: "16-Bit Dual-Supply Bus Transceiver With Configurable Voltage Translation and 3-State Outputs", Supplier Part Number 1=595-AVC16T245QDGVRQ1, Supplier 1=Mouser

## Free pads (board coordinates)
  round 6 hole 3.7 mask+0.102: 0(5,-35) 0(5,35) 0(95,35) 0(95,-35)
  round 4 hole 3.1 mask+0.102: 0(12,31.501) 0(12,-31.499)
  round 1.2 smd paste-0.6: 3(7.5,-27.25) 3(10,-12) 3(10,-10) 3(10,1) 3(10,3) 3(10,5) 3(47,21.25) 3(83.5,28.5)
  round 1.2 smd far side paste-0.6: 3(25.5,27) 3(37.25,-36.75) 3(48,27) 3(48.5,-21.75) 3(66.25,4) 3(66.25,6.25) 3(66.25,8.5) 3(71.75,-11) 3(71.75,-7.75) 3(77.25,14.75) 3(85.25,-31.5) 3(85.25,-24)

## Via types
v1: diameter 0.6, hole 0.3, Top Layer [SIG] to Bottom Layer [SIG], tented both sides, 371 vias
v2: diameter 0.5, hole 0.3, Top Layer [SIG] to Bottom Layer [SIG], tented both sides, 244 vias
v3: diameter 0.8, hole 0.4, Top Layer [SIG] to Bottom Layer [SIG], tented both sides, 32 vias
v4: diameter 0.6, hole 0.3, Top Layer [SIG] to Bottom Layer [SIG], tented bottom, 30 vias
v5: diameter 0.45, hole 0.3, Top Layer [SIG] to Bottom Layer [SIG], tented both sides, 27 vias
v6: diameter 0.6, hole 0.3, Top Layer [SIG] to Bottom Layer [SIG], tented top, 12 vias

## Nets (pads, with @x,y where several pads share a name; then routed paths per layer and width w, separated by ;. In a path a pad name is that pad's centre, name@x,y a point inside that pad or via, vN(x,y) a via of type N, cw(c..) or ccw(c..) an arc to the next point about the centre after c; other vN are vias at no path point)
+1V8: C60_ADC1.1 C60_ADC2.1 C63_ADC1.1 C63_ADC2.1 C64_ADC1.1 C64_ADC2.1 C65_ADC1.1 C65_ADC2.1 C82.1 pad.3@37.25,-36.75 U8_ADC1.2 U8_ADC1.12 U8_ADC1.18 U8_ADC1.25 U8_ADC2.2 U8_ADC2.12 U8_ADC2.18 U8_ADC2.25 U13.1 U13.2 U13.3 | length 115.7
  Top Layer [SIG] w0.2: v2(35.96,-24.25) 36.5,-24.25 36.75,-24 U8_ADC2.12@37.95,-24 ; v2(35.96,-11.5) 36.5,-11.5 36.75,-11.25 U8_ADC1.12@37.95,-11.25 ; v2(39.25,-28.54) U8_ADC2.18@39.25,-26.8 ; v2(39.25,-15.79) U8_ADC1.18@39.25,-14.05 ; U8_ADC2.2@41.75,-21.7 41.75,-20.75 42.25,-20.25 v2(42.25,-19.71) ; U8_ADC1.2@41.75,-8.95 41.75,-8 42.25,-7.5 v2(42.25,-6.96) ; U8_ADC2.25@43.05,-26 44.75,-26 45,-25.75 v2(45.54,-25.75) ; U8_ADC1.25@43.05,-13.25 44.75,-13.25 45,-13 v2(45.54,-13)
  Mid Layer 3 [PWR] w0.5: v2(35.96,-24.25) 35.96,-25.04 35.5,-25.5 33.75,-25.5 ; v2(35.96,-11.5) 35.96,-12.29 35,-13.25 33.75,-13.25 ; v2(39.25,-28.54) 38.71,-28.54 38,-29.25 38,-33.5 37.29,-34.21 v2(35.5,-34.21) 34.21,-34.21 33.75,-33.75 33.75,-27 ; v2(39.25,-15.79) 33.75,-15.79 ; v2(42.25,-19.71) 40.71,-21.25 33.75,-21.25 ; v2(42.25,-6.96) 40.46,-8.75 35.5,-8.75 33.75,-10.5 33.75,-13.25 ; v2(45.54,-25.75) 42.75,-25.75 41.5,-27 33.75,-27 ; v2(45.54,-13) 42.75,-13 41.23,-14.52 33.75,-14.52 ; 33.75,-27 33.75,-25.5 ; 33.75,-25.5 33.75,-21.25 ; 33.75,-21.25 33.75,-15.79 ; 33.75,-15.79 33.75,-14.52 ; 33.75,-14.52 33.75,-13.25
  Bottom Layer [SIG] w0.125: pad.3@37.25,-36.75 38.025,-35.975 U13.1@38.025,-34.725 U13.1@37.937,-34.725
  Bottom Layer [SIG] w0.5: v2(35.5,-34.21) 36.29,-34.21 ; U13.1@37.937,-34.725 36.805,-34.725 36.29,-34.21 ; U13.2@38.025,-34.075 36.425,-34.075 ; U13.3@38.025,-33.425 37.075,-33.425 36.425,-34.075 ; 36.29,-34.21 36.425,-34.075